# Altium PCB 2-quilter-output.PcbDoc (part 4 of 26) (continued)
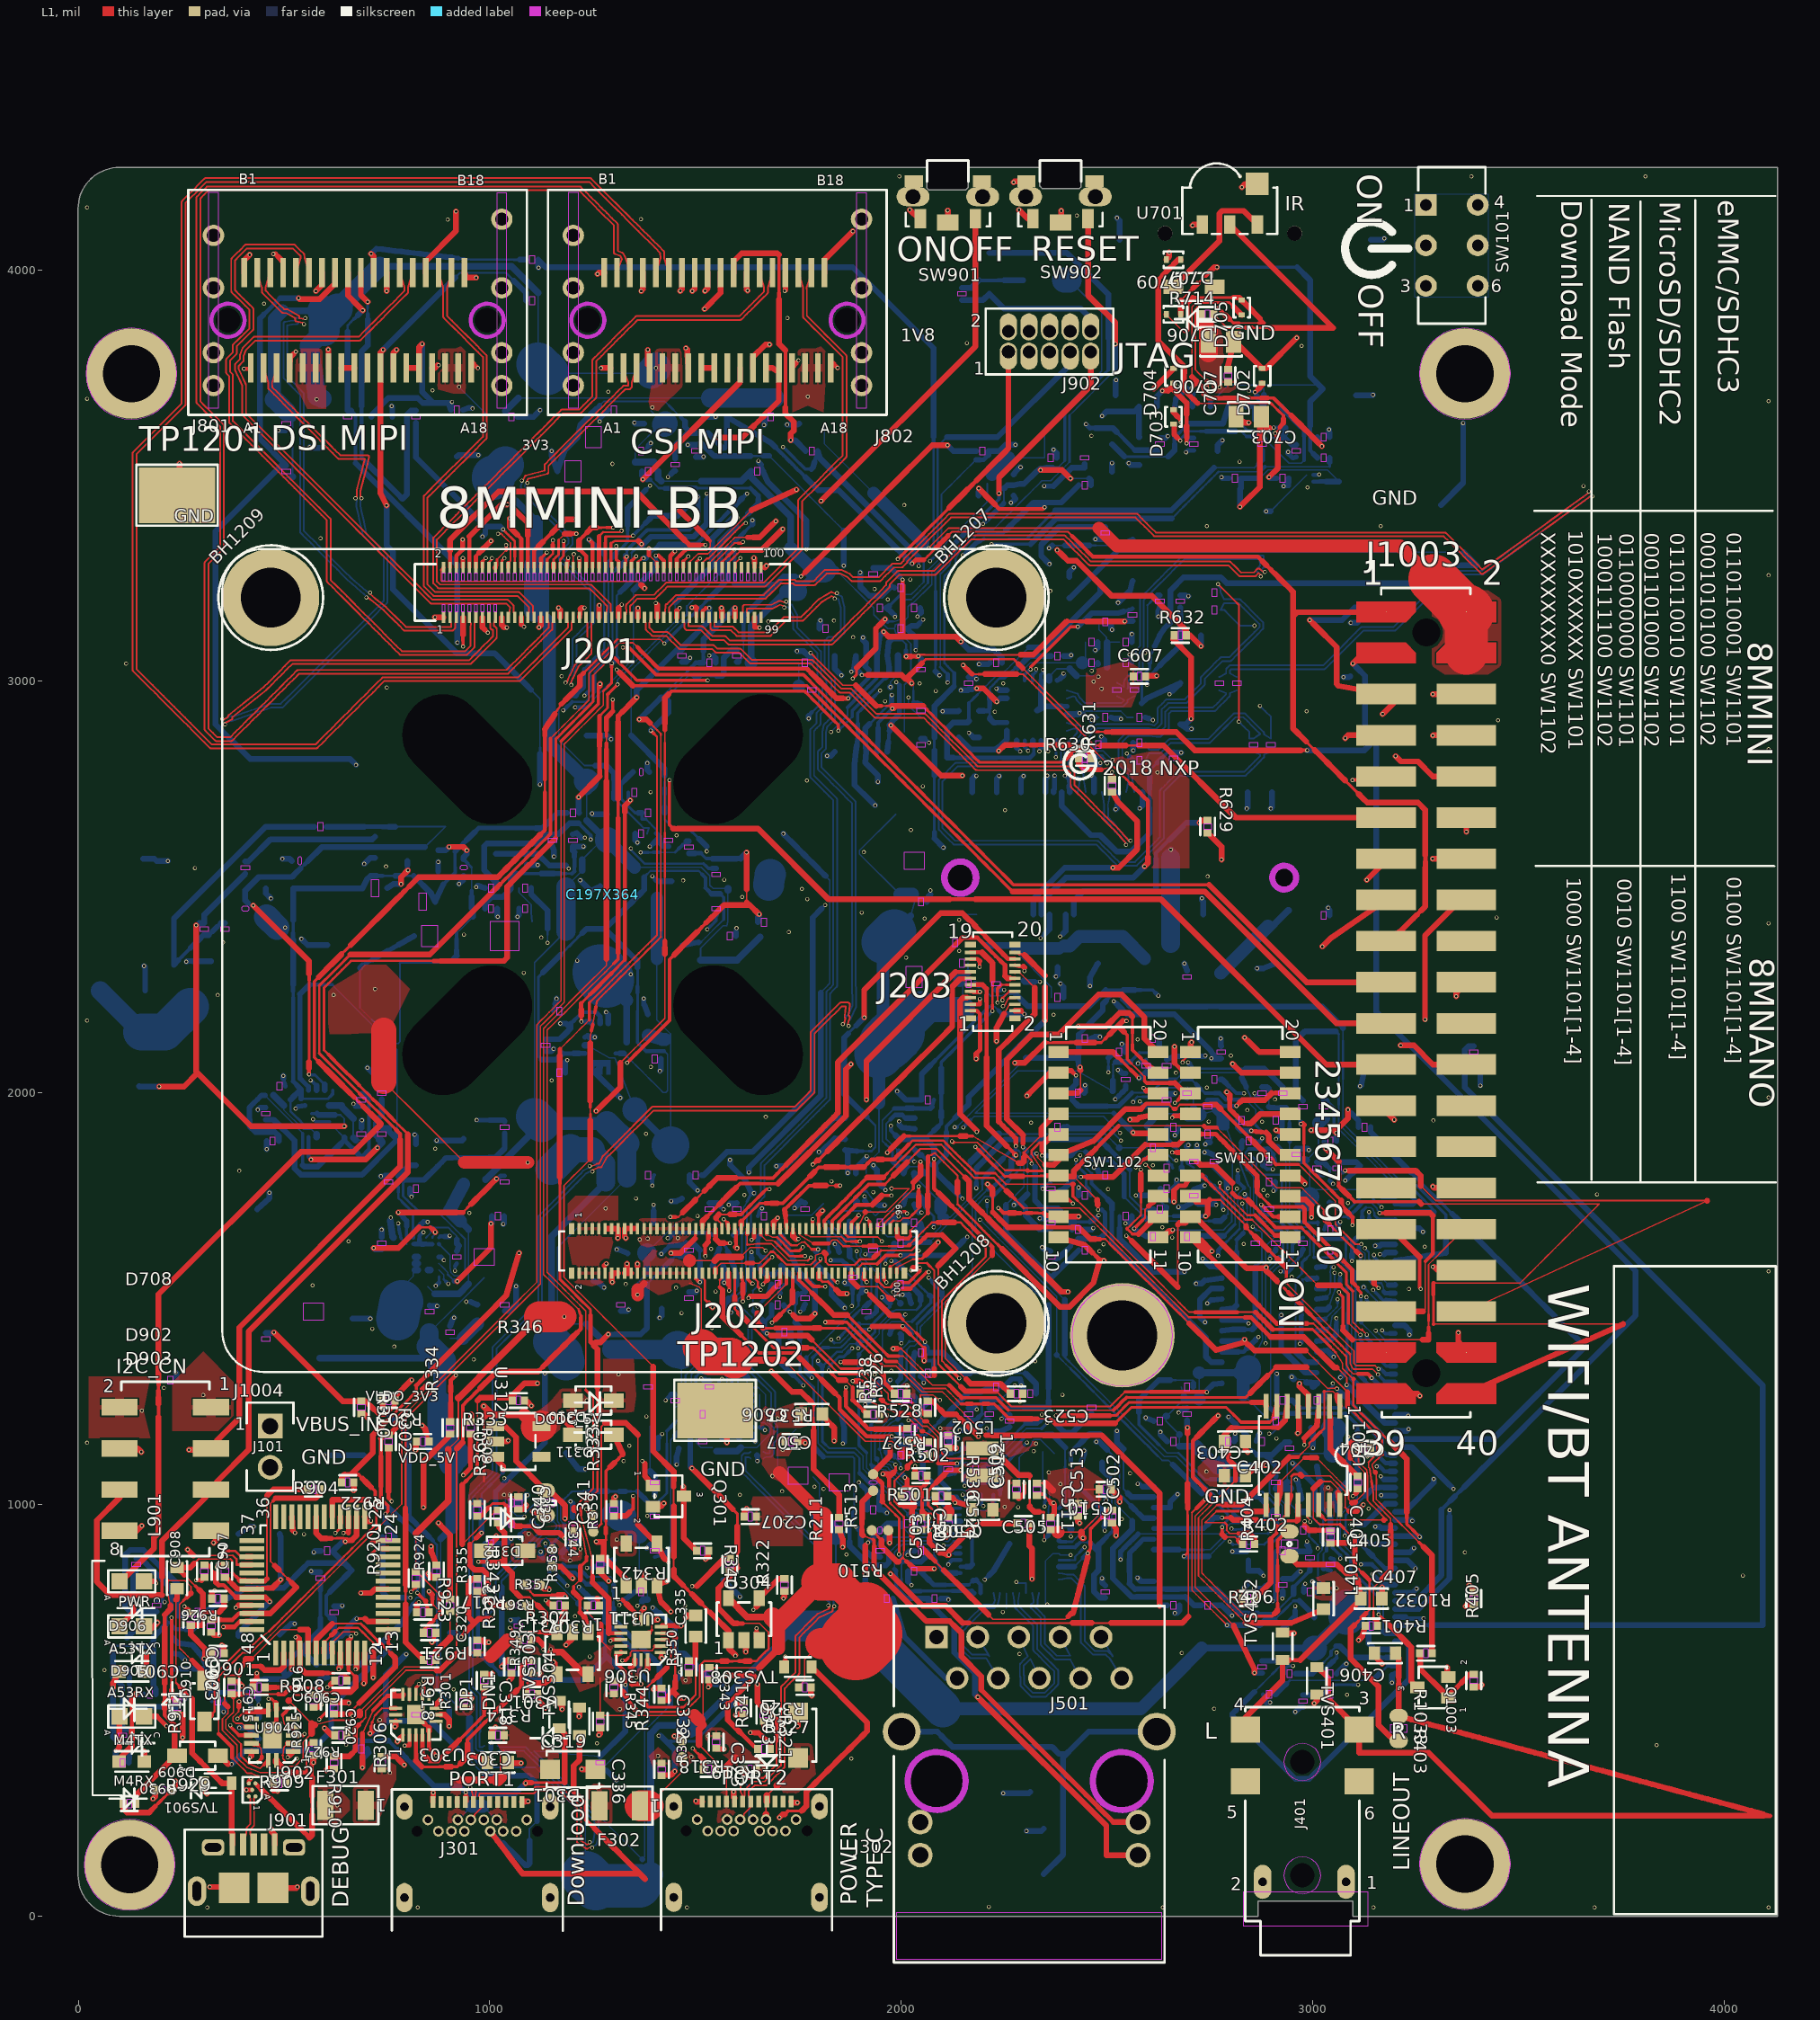
[diagram p0: L1 view]
## Nets (pads, with @x,y where several pads share a name; then routed paths per layer and width w, separated by ;. In a path a pad name is that pad's centre, name@x,y a point inside that pad or via, vN(x,y) a via of type N, cw(c..) or ccw(c..) an arc to the next point about the centre after c; other vN are vias at no path point) (continued)
CSI_D2_N: J201.51 J802.B13 | length 1734.9
  L1 w4.28: J201.51@1281.5,3155.16 1284.76,3169.41 1285.37,3181.4 1285.37,3183.25 1274.73,3193.89 1264.09,3204.53 1253.44,3215.18 1242.8,3225.82 1224.53,3225.82 1206.25,3225.82 1187.98,3225.82 1169.71,3225.82 1151.43,3225.82 1133.16,3225.82 1114.89,3225.82 1096.61,3225.82 1078.34,3225.82 1060.07,3225.82 1041.79,3225.82 1023.52,3225.82 1005.24,3225.82 986.97,3225.82 968.7,3225.82 950.42,3225.82 932.15,3225.82 913.88,3225.82 895.6,3225.82 877.33,3225.82 877.22,3225.82 877.1,3225.83 876.98,3225.83 876.86,3225.85 876.74,3225.86 876.62,3225.88 876.49,3225.9 876.37,3225.92 876.26,3225.95 876.14,3225.98 876.02,3226.01 875.9,3226.05 875.79,3226.08 875.67,3226.13 875.56,3226.17 875.45,3226.22 875.34,3226.27 875.23,3226.32 875.12,3226.38 875.01,3226.44 874.91,3226.5 874.81,3226.57 874.7,3226.64 874.6,3226.71 874.51,3226.78 874.41,3226.85 874.32,3226.93 874.23,3227.01 874.14,3227.1 874.05,3227.18 863.94,3237.29 863.87,3237.36 863.78,3237.45 863.7,3237.55 863.62,3237.64 863.55,3237.73 863.47,3237.83 863.4,3237.93 863.34,3238.03 863.27,3238.14 863.21,3238.24 863.15,3238.35 863.09,3238.45 863.04,3238.56 862.99,3238.67 862.94,3238.79 862.89,3238.9 862.85,3239.01 862.81,3239.13 862.77,3239.25 862.74,3239.36 862.71,3239.48 862.68,3239.6 862.66,3239.72 862.64,3239.84 862.62,3239.96 862.61,3240.08 862.6,3240.2 862.59,3240.33 862.58,3240.45 862.58,3240.57 862.58,3258.23 862.58,3275.88 862.58,3293.54 862.58,3311.2 862.58,3328.85 862.58,3346.51 862.58,3346.62 862.59,3346.74 862.59,3346.86 862.61,3346.98 862.62,3347.1 862.64,3347.22 862.66,3347.34 862.68,3347.46 862.71,3347.58 862.74,3347.7 862.77,3347.82 862.81,3347.93 862.84,3348.05 862.89,3348.16 862.93,3348.28 862.98,3348.39 863.03,3348.5 863.08,3348.61 863.14,3348.72 863.2,3348.82 863.26,3348.93 863.33,3349.03 863.4,3349.13 863.47,3349.23 863.54,3349.33 863.61,3349.43 863.69,3349.52 863.77,3349.61 863.86,3349.7 863.94,3349.79 877.39,3363.24 890.83,3376.68 904.28,3390.13 917.73,3403.58 931.17,3417.02 944.62,3430.47 958.07,3443.92 971.51,3457.36 984.96,3470.81 998.41,3484.26 1011.85,3497.7 1025.3,3511.15 1038.75,3524.6 1052.19,3538.04 1065.64,3551.49 1079.09,3564.93 1092.53,3578.38 1105.98,3591.83 1119.43,3605.27 1132.87,3618.72 1146.32,3632.17 1159.77,3645.61 1173.21,3659.06 1173.29,3659.14 1173.38,3659.22 1173.47,3659.3 1173.56,3659.38 1173.66,3659.45 1173.76,3659.53 1173.86,3659.6 1173.96,3659.67 1174.06,3659.73 1174.16,3659.79 1174.27,3659.85 1174.38,3659.91 1174.49,3659.96 1174.6,3660.02 1174.71,3660.06 1174.82,3660.11 1174.94,3660.15 1175.05,3660.19 1175.17,3660.23 1175.29,3660.26 1175.41,3660.29 1175.52,3660.32 1175.64,3660.34 1175.76,3660.36 1175.89,3660.38 1176.01,3660.39 1176.13,3660.41 1176.25,3660.41 1176.37,3660.42 1176.49,3660.42 1190.06,3660.42 1203.62,3660.42 1217.19,3660.42 1228.05,3671.28 1238.91,3682.14 1249.77,3693.01 1249.77,3710.34 1249.77,3727.66 1249.77,3744.99 1249.77,3762.32 1249.77,3779.65 1249.78,3779.76 1249.78,3779.88 1249.79,3780 1249.8,3780.12 1249.81,3780.24 1249.83,3780.36 1249.85,3780.48 1249.87,3780.6 1249.9,3780.72 1249.93,3780.84 1249.96,3780.96 1250,3781.07 1250.04,3781.19 1250.08,3781.3 1250.12,3781.42 1250.17,3781.53 1250.22,3781.64 1250.28,3781.75 1250.33,3781.86 1250.39,3781.97 1250.46,3782.07 1250.52,3782.17 1250.59,3782.27 1250.66,3782.37 1250.73,3782.47 1250.81,3782.57 1250.88,3782.66 1250.97,3782.75 1251.05,3782.84 1251.13,3782.93 1264.06,3795.86 1276.99,3808.78 1289.91,3821.71 1302.84,3834.63 1315.76,3847.56 1328.69,3860.49 1341.62,3873.41 1354.54,3886.34 1354.62,3886.41 1354.71,3886.5 1354.8,3886.58 1354.89,3886.66 1354.99,3886.73 1355.09,3886.8 1355.19,3886.88 1355.29,3886.94 1355.39,3887.01 1355.49,3887.07 1355.6,3887.13 1355.71,3887.19 1355.82,3887.24 1355.93,3887.29 1356.04,3887.34 1356.15,3887.39 1356.27,3887.43 1356.38,3887.47 1356.5,3887.51 1356.62,3887.54 1356.74,3887.57 1356.85,3887.6 1356.97,3887.62 1357.09,3887.64 1357.21,3887.66 1357.34,3887.67 1357.46,3887.68 1357.58,3887.69 1357.7,3887.7 1357.82,3887.7 1375.63,3887.7 1393.44,3887.7 1411.25,3887.7 1429.06,3887.7 1446.87,3887.7 1464.67,3887.7 1482.48,3887.7 1500.29,3887.7 1518.1,3887.7 1535.91,3887.7 1553.72,3887.7 1571.53,3887.7 1589.34,3887.7 1607.14,3887.7 1619.09,3899.65 1631.04,3911.6 1642.99,3923.55 1654.94,3935.5 1666.89,3947.45 1667.09,3958.08 1661.54,3975.79 J802.B13@1655.99,3993.5
CSI_D2_P: J201.53 J802.B14 | length 1734.9
  L1 w4.28: J201.53@1297.26,3155.16 1294.02,3168.93 1294.65,3181.04 1294.65,3181.17 1294.66,3181.28 1294.66,3185.17 1294.65,3185.29 1294.65,3185.41 1294.64,3185.53 1294.63,3185.66 1294.62,3185.78 1294.6,3185.9 1294.58,3186.02 1294.55,3186.14 1294.53,3186.26 1294.5,3186.38 1294.46,3186.49 1294.43,3186.61 1294.39,3186.72 1294.34,3186.84 1294.3,3186.95 1294.25,3187.06 1294.2,3187.17 1294.15,3187.28 1294.09,3187.39 1294.03,3187.5 1293.97,3187.6 1293.9,3187.71 1293.83,3187.81 1293.76,3187.91 1293.69,3188 1293.61,3188.1 1293.53,3188.19 1293.45,3188.28 1293.37,3188.37 1293.3,3188.45 1281.97,3199.77 1270.65,3211.1 1259.33,3222.42 1248,3233.74 1247.92,3233.83 1247.83,3233.91 1247.74,3233.99 1247.64,3234.07 1247.55,3234.14 1247.45,3234.22 1247.35,3234.29 1247.25,3234.36 1247.14,3234.42 1247.04,3234.48 1246.93,3234.54 1246.82,3234.6 1246.71,3234.65 1246.6,3234.7 1246.49,3234.75 1246.38,3234.8 1246.26,3234.84 1246.15,3234.88 1246.03,3234.91 1245.91,3234.95 1245.8,3234.98 1245.68,3235 1245.56,3235.03 1245.44,3235.05 1245.32,3235.06 1245.2,3235.08 1245.07,3235.09 1244.95,3235.1 1244.83,3235.1 1244.72,3235.1 1226.45,3235.1 1208.18,3235.1 1189.9,3235.1 1171.63,3235.1 1153.36,3235.1 1135.08,3235.1 1116.81,3235.1 1098.53,3235.1 1080.26,3235.1 1061.99,3235.1 1043.71,3235.1 1025.44,3235.1 1007.17,3235.1 988.89,3235.1 970.62,3235.1 952.35,3235.1 934.07,3235.1 915.8,3235.1 897.52,3235.1 879.25,3235.1 871.86,3242.49 871.86,3259.51 871.86,3276.52 871.86,3293.54 871.86,3310.55 871.86,3327.57 871.86,3344.59 885.19,3357.91 898.52,3371.24 911.85,3384.57 925.18,3397.9 938.5,3411.23 951.83,3424.56 965.16,3437.89 978.49,3451.21 991.82,3464.54 1005.15,3477.87 1018.47,3491.2 1031.8,3504.53 1045.13,3517.86 1058.46,3531.18 1071.79,3544.51 1085.12,3557.84 1098.44,3571.17 1111.77,3584.5 1125.1,3597.83 1138.43,3611.15 1151.76,3624.48 1165.09,3637.81 1178.42,3651.14 1191.98,3651.14 1205.54,3651.14 1219.11,3651.14 1219.23,3651.14 1219.35,3651.15 1219.47,3651.15 1219.6,3651.17 1219.72,3651.18 1219.84,3651.2 1219.96,3651.22 1220.08,3651.24 1220.2,3651.27 1220.32,3651.3 1220.43,3651.33 1220.55,3651.37 1220.66,3651.41 1220.78,3651.45 1220.89,3651.5 1221,3651.54 1221.11,3651.6 1221.22,3651.65 1221.33,3651.71 1221.44,3651.77 1221.54,3651.83 1221.65,3651.89 1221.75,3651.96 1221.85,3652.03 1221.94,3652.11 1222.04,3652.18 1222.13,3652.26 1222.22,3652.34 1222.31,3652.42 1222.39,3652.5 1234.16,3664.27 1245.93,3676.04 1257.7,3687.8 1257.78,3687.89 1257.86,3687.98 1257.94,3688.07 1258.02,3688.17 1258.1,3688.26 1258.17,3688.36 1258.24,3688.46 1258.31,3688.56 1258.37,3688.66 1258.43,3688.77 1258.49,3688.88 1258.55,3688.98 1258.6,3689.09 1258.66,3689.2 1258.7,3689.32 1258.75,3689.43 1258.79,3689.54 1258.83,3689.66 1258.87,3689.78 1258.9,3689.89 1258.93,3690.01 1258.96,3690.13 1258.98,3690.25 1259,3690.37 1259.02,3690.49 1259.03,3690.61 1259.04,3690.73 1259.05,3690.86 1259.05,3690.98 1259.05,3691.08 1259.05,3708.41 1259.05,3725.74 1259.05,3743.07 1259.05,3760.4 1259.05,3777.73 1271.64,3790.31 1284.23,3802.9 1296.81,3815.49 1309.4,3828.07 1321.99,3840.66 1334.57,3853.25 1347.16,3865.83 1359.74,3878.42 1377.55,3878.42 1395.36,3878.42 1413.17,3878.42 1430.98,3878.42 1448.79,3878.42 1466.6,3878.42 1484.41,3878.42 1502.21,3878.42 1520.02,3878.42 1537.83,3878.42 1555.64,3878.42 1573.45,3878.42 1591.26,3878.42 1609.07,3878.42 1609.19,3878.42 1609.31,3878.42 1609.43,3878.43 1609.55,3878.44 1609.67,3878.46 1609.79,3878.48 1609.91,3878.5 1610.03,3878.52 1610.15,3878.55 1610.27,3878.58 1610.39,3878.61 1610.51,3878.65 1610.62,3878.69 1610.73,3878.73 1610.85,3878.77 1610.96,3878.82 1611.07,3878.87 1611.18,3878.93 1611.29,3878.98 1611.39,3879.04 1611.5,3879.11 1611.6,3879.17 1611.7,3879.24 1611.8,3879.31 1611.9,3879.38 1612,3879.46 1612.09,3879.54 1612.18,3879.62 1612.27,3879.7 1612.35,3879.78 1624.83,3892.26 1637.32,3904.75 1649.81,3917.24 1662.29,3929.72 1674.78,3942.21 1674.86,3942.3 1674.95,3942.39 1675.03,3942.48 1675.11,3942.57 1675.18,3942.67 1675.25,3942.77 1675.32,3942.87 1675.39,3942.97 1675.46,3943.07 1675.52,3943.17 1675.58,3943.28 1675.63,3943.39 1675.69,3943.5 1675.74,3943.61 1675.79,3943.72 1675.83,3943.84 1675.87,3943.95 1675.91,3944.07 1675.95,3944.18 1675.98,3944.3 1676.01,3944.42 1676.04,3944.54 1676.06,3944.66 1676.08,3944.78 1676.1,3944.9 1676.11,3945.02 1676.12,3945.14 1676.13,3945.26 1676.14,3945.38 1676.37,3957.91 1681.93,3975.7 J802.B14@1687.49,3993.5
CSI_D3_N: J201.57 J802.B16 | length 1261.9
  L1 w4.28: J201.57@1328.75,3155.16 1332,3169.04 1331.68,3180.32 ; 1331.68,3180.33 1331.68,3180.45 1331.68,3184.06 1331.68,3184.17 1331.69,3184.29 1331.69,3184.41 1331.7,3184.53 1331.72,3184.66 1331.74,3184.78 1331.76,3184.9 1331.78,3185.02 1331.81,3185.14 1331.84,3185.25 1331.87,3185.37 1331.9,3185.49 1331.94,3185.6 1331.99,3185.72 1332.03,3185.83 1332.08,3185.94 1332.13,3186.05 1332.18,3186.16 1332.24,3186.27 1332.3,3186.38 1332.36,3186.48 1332.43,3186.59 1332.49,3186.69 1332.57,3186.79 1332.64,3186.89 1332.71,3186.98 1332.79,3187.07 1332.87,3187.17 1332.95,3187.26 1333.04,3187.34 1343.69,3198 1354.34,3208.65 1354.42,3208.72 1354.51,3208.8 1354.6,3208.89 1354.69,3208.96 1354.79,3209.04 1354.89,3209.11 1354.99,3209.18 1355.09,3209.25 1355.19,3209.32 1355.3,3209.38 1355.4,3209.44 1355.51,3209.5 1355.62,3209.55 1355.73,3209.6 1355.84,3209.65 1355.95,3209.7 1356.07,3209.74 1356.18,3209.78 1356.3,3209.81 1356.42,3209.85 1356.54,3209.88 1356.66,3209.9 1356.78,3209.93 1356.9,3209.95 1357.02,3209.97 1357.14,3209.98 1357.26,3209.99 1357.38,3210 1357.5,3210 1357.62,3210.01 1371.48,3210.01 1385.33,3210.01 1399.18,3210.01 1408.68,3219.5 1418.17,3229 1427.67,3238.5 1427.75,3238.58 1427.84,3238.66 1427.93,3238.74 1428.02,3238.82 1428.12,3238.89 1428.22,3238.97 1428.32,3239.04 1428.42,3239.11 1428.52,3239.17 1428.63,3239.23 1428.73,3239.29 1428.84,3239.35 1428.95,3239.4 1429.06,3239.46 1429.17,3239.5 1429.28,3239.55 1429.4,3239.59 1429.51,3239.63 1429.63,3239.67 1429.75,3239.7 1429.87,3239.73 1429.99,3239.76 1430.11,3239.78 1430.23,3239.8 1430.35,3239.82 1430.47,3239.83 1430.59,3239.85 1430.71,3239.85 1430.83,3239.86 1430.95,3239.86 1449.07,3239.86 1467.19,3239.86 1485.3,3239.86 1503.42,3239.86 1521.53,3239.86 1539.65,3239.86 1557.76,3239.86 1575.88,3239.86 1594,3239.86 1612.11,3239.86 1630.23,3239.86 1648.34,3239.86 1666.46,3239.86 1678.39,3251.79 1690.33,3263.73 1702.26,3275.66 1714.19,3287.6 1726.13,3299.53 1738.06,3311.47 1750,3323.4 1750,3339.91 1750,3356.41 1750,3372.92 1750,3389.43 1750,3405.93 1750,3422.44 1750,3438.95 1750,3439.05 1750,3439.18 1750.01,3439.3 1750.02,3439.42 1750.04,3439.54 1750.05,3439.66 1750.07,3439.78 1750.1,3439.9 1750.12,3440.02 1750.15,3440.14 1750.19,3440.26 1750.22,3440.37 1750.26,3440.49 1750.3,3440.6 1750.35,3440.72 1750.4,3440.83 1750.45,3440.94 1750.5,3441.05 1750.56,3441.16 1750.62,3441.26 1750.68,3441.37 1750.74,3441.47 1750.81,3441.57 1750.88,3441.67 1750.95,3441.77 1751.03,3441.87 1751.11,3441.96 1751.19,3442.05 1751.27,3442.14 1751.36,3442.23 1764.69,3455.56 1778.03,3468.9 1791.37,3482.24 1804.7,3495.57 1818.04,3508.91 1831.38,3522.25 1844.71,3535.58 1858.05,3548.92 1858.05,3567.32 1858.05,3585.72 1858.05,3604.12 1858.05,3622.52 1858.05,3640.92 1858.05,3659.33 1858.05,3677.73 1858.05,3696.13 1858.05,3714.53 1858.05,3732.93 1858.05,3751.33 1858.05,3769.73 1858.05,3788.13 1846.17,3800.01 1834.3,3811.88 1822.42,3823.75 1810.55,3835.63 1798.68,3847.5 1786.8,3859.38 1774.93,3871.25 1763.05,3883.13 1762.98,3883.2 1762.89,3883.29 1762.81,3883.38 1762.74,3883.48 1762.66,3883.57 1762.59,3883.67 1762.52,3883.77 1762.45,3883.87 1762.38,3883.97 1762.32,3884.08 1762.26,3884.19 1762.2,3884.29 1762.15,3884.4 1762.1,3884.51 1762.05,3884.63 1762,3884.74 1761.96,3884.85 1761.92,3884.97 1761.89,3885.09 1761.85,3885.2 1761.82,3885.32 1761.8,3885.44 1761.77,3885.56 1761.75,3885.68 1761.73,3885.8 1761.72,3885.92 1761.71,3886.04 1761.7,3886.16 1761.69,3886.29 1761.69,3886.41 1761.69,3901.37 1761.69,3916.33 1761.69,3931.3 1761.69,3946.26 1761.58,3957.95 1756.03,3975.73 J802.B16@1750.48,3993.5
CSI_D3_P: J201.59 J802.B17 | length 1261.9
  L1 w4.28: J201.59@1344.5,3155.16 1341.27,3169.3 1340.96,3180.51 1340.96,3182.14 1350.25,3191.43 1359.55,3200.73 1373.4,3200.73 1387.25,3200.73 1401.1,3200.73 1401.22,3200.73 1401.34,3200.73 1401.47,3200.74 1401.59,3200.75 1401.71,3200.77 1401.83,3200.78 1401.95,3200.8 1402.07,3200.83 1402.19,3200.86 1402.31,3200.89 1402.42,3200.92 1402.54,3200.95 1402.65,3200.99 1402.77,3201.04 1402.88,3201.08 1402.99,3201.13 1403.11,3201.18 1403.21,3201.24 1403.32,3201.29 1403.43,3201.35 1403.53,3201.41 1403.64,3201.48 1403.74,3201.55 1403.84,3201.62 1403.93,3201.69 1404.03,3201.77 1404.12,3201.85 1404.21,3201.93 1404.3,3202.01 1404.38,3202.08 1413.88,3211.58 1423.38,3221.08 1432.88,3230.58 1450.99,3230.58 1469.11,3230.58 1487.22,3230.58 1505.34,3230.58 1523.45,3230.58 1541.57,3230.58 1559.69,3230.58 1577.8,3230.58 1595.92,3230.58 1614.03,3230.58 1632.15,3230.58 1650.26,3230.58 1668.38,3230.58 1668.5,3230.58 1668.62,3230.59 1668.75,3230.59 1668.87,3230.61 1668.99,3230.62 1669.11,3230.64 1669.23,3230.66 1669.35,3230.68 1669.47,3230.71 1669.59,3230.74 1669.7,3230.77 1669.82,3230.81 1669.93,3230.85 1670.05,3230.89 1670.16,3230.94 1670.27,3230.98 1670.38,3231.04 1670.49,3231.09 1670.6,3231.15 1670.71,3231.21 1670.81,3231.27 1670.92,3231.33 1671.02,3231.4 1671.12,3231.47 1671.21,3231.55 1671.31,3231.62 1671.4,3231.7 1671.49,3231.78 1671.58,3231.86 1671.66,3231.94 1683.98,3244.26 1696.31,3256.58 1708.63,3268.91 1720.95,3281.23 1733.27,3293.55 1745.6,3305.87 1757.92,3318.2 1758,3318.28 1758.09,3318.37 1758.17,3318.47 1758.24,3318.56 1758.32,3318.65 1758.39,3318.75 1758.46,3318.85 1758.53,3318.95 1758.6,3319.06 1758.66,3319.16 1758.72,3319.27 1758.77,3319.38 1758.83,3319.49 1758.88,3319.6 1758.93,3319.71 1758.97,3319.82 1759.01,3319.94 1759.05,3320.05 1759.09,3320.17 1759.12,3320.29 1759.15,3320.4 1759.18,3320.52 1759.2,3320.64 1759.22,3320.76 1759.24,3320.88 1759.25,3321 1759.26,3321.13 1759.27,3321.25 1759.28,3321.37 1759.28,3321.48 1759.28,3337.98 1759.28,3354.49 1759.28,3371 1759.28,3387.5 1759.28,3404.01 1759.28,3420.52 1759.28,3437.03 1772.61,3450.36 1785.95,3463.7 1799.29,3477.03 1812.62,3490.37 1825.96,3503.71 1839.3,3517.04 1852.63,3530.38 1865.97,3543.72 1866.05,3543.81 1866.14,3543.89 1866.22,3543.99 1866.3,3544.08 1866.37,3544.18 1866.44,3544.27 1866.51,3544.37 1866.58,3544.47 1866.65,3544.58 1866.71,3544.68 1866.77,3544.79 1866.83,3544.9 1866.88,3545.01 1866.93,3545.12 1866.98,3545.23 1867.02,3545.34 1867.07,3545.46 1867.1,3545.57 1867.14,3545.69 1867.17,3545.81 1867.2,3545.93 1867.23,3546.04 1867.25,3546.16 1867.27,3546.28 1867.29,3546.41 1867.3,3546.53 1867.32,3546.65 1867.32,3546.77 1867.33,3546.89 1867.33,3547 1867.33,3565.7 1867.33,3584.39 1867.33,3603.09 1867.33,3621.78 1867.33,3640.48 1867.33,3659.18 1867.33,3677.87 1867.33,3696.57 1867.33,3715.27 1867.33,3733.96 1867.33,3752.66 1867.33,3771.36 1867.33,3790.05 1867.33,3790.17 1867.32,3790.3 1867.31,3790.42 1867.3,3790.54 1867.29,3790.66 1867.27,3790.78 1867.25,3790.9 1867.23,3791.02 1867.2,3791.14 1867.17,3791.26 1867.14,3791.38 1867.1,3791.49 1867.06,3791.61 1867.02,3791.72 1866.97,3791.84 1866.92,3791.95 1866.87,3792.06 1866.82,3792.17 1866.76,3792.27 1866.7,3792.38 1866.64,3792.49 1866.57,3792.59 1866.51,3792.69 1866.44,3792.79 1866.36,3792.89 1866.29,3792.98 1866.21,3793.08 1866.13,3793.17 1866.04,3793.26 1865.97,3793.33 1854.1,3805.21 1842.22,3817.08 1830.35,3828.96 1818.47,3840.83 1806.6,3852.71 1794.72,3864.58 1782.85,3876.46 1770.97,3888.33 1770.97,3902.81 1770.97,3917.3 1770.97,3931.78 1770.97,3946.26 ; 1770.97,3946.31 1770.86,3958.04 1776.41,3975.77 J802.B17@1781.98,3993.5
CSI_I2C_SCL: J802.B11 R809.1 | length 662.5
  L1 w7.92: 1703.22,3943.68 1703.22,3959.15 1703.22,3974.61 1703.22,3990.08 1703.22,4005.55 1703.22,4021.01 1703.22,4036.48 ; 1719,3665.73 1719,3681.11 1719,3696.49 1719,3711.87 1719,3727.25 1719,3742.63 1719,3758.02 1719,3773.4 1719,3788.78 1719,3804.16
  L1 w8.94: 1703.22,3928.21 1703.22,3943.68
  L1 w14.05: J802.B11@1593,3993.5 1592.99,4020.72 1612.74,4040.46 1699.23,4040.46 1703.22,4036.48 ; 1703.22,3928.21 1703.22,3912.75 1703.22,3897.28 1703.22,3881.81 1703.22,3866.35 1703.22,3850.88 1703.22,3835.41 1703.22,3819.95 1719,3804.16 ; 1719,3665.73 1719,3650.42 1739.11,3630.32 1739.11,3609.03 1732.01,3601.93 ; v1(1732.01,3586.08) 1732.01,3601.91
  L8 w14.05: v1(1732.01,3586.08) 1741.9,3586.08 R809.1@1768.14,3559.83
CSI_I2C_SDA: J802.B10 R807.1 | length 484.3
  L1 w14.05: v1(1522.37,3904.92) 1561.5,3944.05 J802.B10@1561.5,3993.5
  L3 w12.01: v1@1520.05,3902.59 v1(1522.37,3904.92)
  L3 w14.05: v1(1520.05,3545.87) v1@1520.05,3902.59
  L8 w14.05: R807.1@1500.89,3545.07 1519.23,3545.06 v1(1520.05,3545.87)
CSI_NRST: J202.58 J802.B9 R806.2 | length 2835
  L1 w5.87: J202.58@1658.76,1574.09 1667.56,1582.88
  L1 w6.9: 1667.56,1582.88 1676.35,1591.68 1685.15,1600.47 v1(1686.37,1600.47)
  L1 w9.96: J202.58@1658.75,1561.94 J202.58@1658.76,1574.09
  L1 w14.05: v1(1523.5,3948.82) 1530,3955.32 J802.B9@1530.01,3993.5
  L3 w6.9: 1319.26,2227.99 1330.09,2217.16 1340.93,2206.33 1351.76,2195.49 1362.59,2184.66 1373.43,2173.83 1384.26,2162.99 1395.09,2152.16 1405.93,2141.33 1416.76,2130.49 1427.59,2119.66 1438.43,2108.83 1438.43,2094.12 1438.43,2079.42 1438.43,2064.72 1438.43,2050.01 1438.43,2035.31 1438.43,2020.6 1438.43,2005.9 1438.43,1991.2 1438.43,1976.49 1438.43,1961.79 1438.43,1947.09 1438.43,1932.38
  L3 w7.92: 1308.43,2254.28 1308.43,2238.83 1319.26,2227.99 ; 1308.43,2486.03 1308.43,2501.48 1308.43,2516.93 1308.43,2532.38 1308.43,2547.83 1308.43,2563.28 1308.43,2578.73 1308.43,2594.18 1308.43,2609.63 1308.43,2625.08 1308.43,2640.53 1308.43,2655.97 1308.43,2671.42 1308.43,2686.87 1308.43,2702.32 1308.43,2717.77 1308.43,2733.22 1308.43,2748.67 1308.43,2764.12 1308.43,2779.57 1308.43,2795.02 1308.43,2810.47 ; 1308.43,2841.37 1308.43,2856.82 1308.43,2872.27 ; 1438.43,1932.38 1449.06,1921.75 ; 1608.56,1762.25 v1(1619.19,1751.61)
  L3 w8.94: 1308.43,2254.28 1308.43,2269.73 1308.43,2285.18 1308.43,2300.63 1308.43,2316.08 1308.43,2331.53 1308.43,2346.98 1308.43,2362.43 1308.43,2377.88 1308.43,2393.33 1308.43,2408.78 1308.43,2424.23 1308.43,2439.68 1308.43,2455.13 1308.43,2470.58 1308.43,2486.03
  L3 w14.05: v1(1230.61,2965.54) 1308.43,2887.72 1308.43,2872.27 ; 1308.43,2810.47 1308.43,2825.92 1308.43,2841.37 ; 1449.06,1921.75 1459.69,1911.12 1470.33,1900.48 1480.96,1889.85 1491.59,1879.22 1502.23,1868.58 1512.86,1857.95 1523.49,1847.32 1534.13,1836.68 1544.76,1826.05 1555.39,1815.42 1566.03,1804.78 1576.66,1794.15 1587.29,1783.52 1597.93,1772.88 1608.56,1762.25
  L6 w7.92: v1(1389.57,3475.14) 1389.57,3489.39
  L6 w8.94: 1619.19,1737.84 v1(1619.19,1751.61) ; 1675.85,1600.47 v1(1686.37,1600.47)
  L6 w13.03: 1654.79,1608.64 1654.79,1616.05 1654.79,1631.61 ; 1665.32,1600.47 1675.85,1600.47
  L6 w14.05: 1389.57,3489.39 1389.57,3503.64 1389.57,3517.89 1389.57,3532.14 1389.57,3546.39 1389.57,3560.64 1418.02,3589.09 ; v1(1391.45,3578.75) 1401.79,3589.09 1418.02,3589.09 ; v1(1523.5,3948.82) 1538.75,3933.55 1538.75,3709.82 1418.02,3589.09 ; 1619.19,1737.84 1619.19,1724.08 1619.19,1710.31 1619.19,1696.55 1619.19,1682.78 1654.79,1647.18 1654.79,1631.61 ; 1654.79,1608.64 1662.96,1600.47 1665.32,1600.47
  L8 w4.85: 1243.13,3026.37 1252.25,3035.48 1261.36,3044.6 1270.48,3053.71 1279.59,3062.83 1288.7,3071.94 1288.7,3087.69 1288.7,3103.43 1288.7,3119.17 1288.7,3134.91 1288.7,3150.66 1288.7,3166.4 1288.7,3182.14 1288.7,3197.89 1288.7,3213.63 1288.7,3229.37 1288.7,3245.11 1288.7,3260.86 1288.7,3276.6 1288.7,3292.34
  L8 w5.87: 1288.7,3292.34 1297.95,3301.59 ; 1307.2,3310.84 1316.45,3320.09 1325.7,3329.34
  L8 w7.92: 1243.13,2978.07 1243.13,2990.14 1243.13,3002.22 1243.13,3014.29 1243.13,3026.37 ; 1325.7,3329.34 1334.95,3338.59 1334.95,3352.24 1334.95,3365.9 ; 1378.65,3464.22 v1(1389.57,3475.14)
  L8 w8.94: v1(1230.61,2965.54) 1236.87,2971.81 1243.13,2978.07
  L8 w9.96: 1334.95,3365.9 1334.95,3379.55
  L8 w14.05: 1297.95,3301.59 1307.2,3310.84 ; 1334.95,3379.55 1334.95,3393.2 1334.95,3406.86 1334.95,3420.51 1345.87,3431.44 1356.8,3442.36 1367.72,3453.29 1378.65,3464.22 ; R806.2@1382.95,3559.83 1387.38,3574.67 ; 1387.38,3574.68 v1(1391.45,3578.75)
CSI_PWDN: J202.56 J802.A11 R802.2 | length 3346.8
  L1 w4.85: J202.56@1643.01,1550.14 1652.03,1541.13
  L1 w5.87: 1652.03,1528.51 1652.03,1541.13
  L1 w6.9: 1652.03,1528.51 v1(1659.01,1521.53)
  L1 w8.94: J202.56@1643.01,1550.14 J202.56@1643,1561.94
  L1 w14.05: v1(1372.05,3490.54) 1608.74,3727.23 J802.A11@1608.74,3761.22
  L3 w3.83: 1630.71,1708.01 1630.71,1722.14 1630.71,1736.28 1630.71,1750.41 1630.71,1764.54
  L3 w4.85: 1572.27,1639.56 1572.27,1629.55 1582.24,1619.58 1592.21,1609.61 1602.18,1599.64 1612.15,1589.67 1622.12,1579.7 1632.09,1569.73
  L3 w5.87: 1572.27,1639.56 1572.27,1649.57 ; 1632.09,1569.73 1642.07,1559.76 1652.04,1549.79 1652.04,1539.14 1652.04,1528.5
  L3 w6.9: 1652.04,1528.5 v1(1659.01,1521.53)
  L3 w8.94: 1630.71,1764.54 1630.71,1778.68
  L3 w9.96: 1675.14,2512.55 1686.26,2501.43 1697.38,2490.31 ; 1741.86,2445.83 1752.98,2434.71 1764.1,2423.59
  L3 w13.03: 1582.01,1659.31 1591.75,1669.05 1601.49,1678.79 ; 1620.97,1698.27 1630.71,1708.01
  L3 w14.05: v1(1527.79,2586.79) 1589.92,2524.66 1663.04,2524.66 1675.14,2512.55 ; 1572.27,1649.57 1582.01,1659.31 ; 1601.49,1678.79 1611.23,1688.53 1620.97,1698.27 ; 1630.71,1778.68 2008.74,2156.71 2008.74,2178.95 1997.62,2190.08 1986.5,2201.2 1975.38,2212.32 1964.26,2223.44 1953.14,2234.56 1942.02,2245.68 1930.9,2256.8 1919.78,2267.92 1908.66,2279.04 1897.54,2290.16 1886.42,2301.28 1875.3,2312.4 1864.18,2323.52 1853.06,2334.64 1841.94,2345.76 1830.82,2356.88 1819.7,2368 1808.58,2379.12 1797.46,2390.24 1786.34,2401.36 1775.22,2412.47 1764.1,2423.59 ; 1697.38,2490.31 1708.5,2479.19 1719.62,2468.07 1730.74,2456.95 1741.86,2445.83
  L8 w3.5: 1343.66,2868.56 1343.66,2882.64 1343.66,2897.03 1343.66,2911.42 1343.66,2925.81 1343.66,2940.21 1343.66,2954.6 1343.66,2968.99 1343.66,2983.38 1343.66,2997.77 1343.66,3012.16 1343.66,3026.55 1354.08,3036.97 1364.49,3047.39 1374.91,3057.81 1385.33,3068.23 1395.75,3078.65 1406.17,3089.07 1416.59,3099.49 1427.01,3109.91 1437.43,3120.32 1447.85,3130.74 1458.27,3141.16 1468.69,3151.58 1476.19,3159.08 ; 1479.11,3182.34 1489.27,3192.5 1499.44,3202.67 1509.61,3212.84 1519.77,3223 1529.94,3233.17 1540.1,3243.33 1550.27,3253.5 1560.37,3263.6
  L8 w3.83: 1390.66,3489.98 1401.07,3479.57 1411.48,3469.16 ; 1599.14,3378.23 1608.82,3387.91 1618.49,3397.58
  L8 w4.85: 1425.32,2679.68 1425.32,2664.41 1435.13,2654.6 1444.94,2644.78 ; 1425.32,2756.04 1425.32,2771.32
  L8 w5.87: 1425.32,2740.77 1425.32,2756.04 ; 1444.94,2644.78 1457.08,2644.78 ; 1476.19,3159.09 1479.11,3162.01 1479.11,3172.17 1479.11,3182.34
  L8 w6.9: 1411.48,3469.16 1426.34,3469.16 ; 1457.08,2644.78 1469.21,2644.78 1481.34,2644.78 1490.63,2635.5 1499.92,2626.21 1509.21,2616.92 ; 1500.65,3469.16 1515.51,3469.16 1530.38,3469.16 1545.24,3469.16 1560.1,3469.16 1574.96,3469.16 1589.82,3469.16 1604.69,3469.16 1619.55,3469.16 1634.41,3469.16
  L8 w7.92: v1(1527.79,2586.79) 1527.79,2598.34 ; 1618.49,3397.58 1628.2,3407.29
  L8 w8.94: 1425.32,2694.95 1425.32,2710.22 1425.32,2725.5
  L8 w10.99: R802.2@1370.02,3500.04 v1@1375.19,3494.01 ; 1382.63,3489.98 1390.66,3489.98 ; 1425.32,2725.5 1425.32,2740.77 ; 1634.41,3469.16 1643.5,3460.07
  L8 w12.01: v1@1375.19,3493.69 1375.19,3494.01 1382.63,3489.98 ; 1426.34,3469.16 1441.2,3469.16 ; 1643.5,3460.07 1652.6,3450.98 ; 1652.6,3441.33 1652.6,3450.97
  L8 w13.03: v1(1372.05,3490.54) v1@1375.19,3493.69
  L8 w14.05: 1343.66,2868.56 1425.32,2786.9 1425.32,2771.32 ; R802.2@1370.02,3500.04 R802.2@1370.01,3510.02 ; 1425.32,2679.68 1425.32,2694.95 ; 1441.2,3469.16 1456.07,3469.16 1470.93,3469.16 1485.79,3469.16 1500.65,3469.16 ; 1509.21,2616.92 1518.5,2607.63 1527.79,2598.34 ; 1560.37,3263.6 1560.37,3339.46 1570.11,3349.2 1579.79,3358.88 1589.46,3368.55 1599.14,3378.23 ; 1628.21,3407.29 1652.6,3431.68 1652.6,3441.33
DEBUG_ACCESS1: U303.9
DEBUG_ACCESS2: U306.9
DIF0_N: R611.1 U601.14 | length 188.6
  L8 w4.28: U601.14@2403.41,2958.39 2418.03,2963.81 2423.04,2962.2 2426.92,2954.5 2426.97,2954.39 2427.03,2954.28 2427.09,2954.18 2427.16,2954.07 2427.23,2953.97 2427.3,2953.87 2427.37,2953.77 2427.44,2953.68 2427.52,2953.58 2427.6,2953.49 2427.68,2953.4 2427.77,2953.31 ; 2427.78,2953.3 2434.53,2946.55 2441.28,2939.8 2441.37,2939.71 2441.46,2939.63 2441.55,2939.55 2441.64,2939.47 2441.74,2939.4 2441.84,2939.32 2441.94,2939.25 2442.04,2939.19 2442.14,2939.12 2442.25,2939.06 2442.35,2939 2442.46,2938.94 2442.57,2938.89 2442.68,2938.84 2442.79,2938.79 2442.91,2938.74 2443.02,2938.7 2443.14,2938.66 2443.25,2938.63 2443.37,2938.6 2443.49,2938.57 2443.61,2938.54 2443.73,2938.52 2443.85,2938.49 2443.97,2938.48 2444.09,2938.46 2444.21,2938.45 2444.33,2938.45 2444.46,2938.44 2444.56,2938.44 2463.32,2938.44 2482.07,2938.44 2500.83,2938.44 2519.59,2938.44 2538.34,2938.44 2538.46,2938.44 2538.58,2938.45 2538.71,2938.45 2538.83,2938.47 2538.95,2938.48 2539.07,2938.5 2539.19,2938.52 2539.31,2938.54 2539.43,2938.57 2539.55,2938.6 2539.66,2938.63 2539.78,2938.67 2539.9,2938.71 2540.01,2938.75 2540.12,2938.8 2540.24,2938.84 2540.35,2938.9 2540.45,2938.95 2540.56,2939.01 2540.67,2939.07 2540.77,2939.13 2540.88,2939.19 2540.98,2939.26 2541.08,2939.33 2541.17,2939.41 2541.27,2939.48 2541.36,2939.56 2541.46,2939.64 2541.54,2939.72 2541.62,2939.8 2549.26,2947.43 2549.34,2947.52 2549.42,2947.61 2549.5,2947.7 2549.58,2947.8 2549.66,2947.89 2549.73,2947.99 2549.8,2948.09 2549.87,2948.19 2549.93,2948.29 2550,2948.4 2550.05,2948.5 2550.11,2948.61 2550.17,2948.72 2550.22,2948.83 2550.26,2948.94 2550.31,2949.06 2550.35,2949.17 2550.39,2949.29 2550.43,2949.41 2550.46,2949.52 2550.49,2949.64 2550.52,2949.76 2550.54,2949.88 2550.56,2950 2550.58,2950.12 2550.59,2950.24 2550.6,2950.36 2550.61,2950.48 2550.61,2950.61 2550.61,2950.71 2550.61,2954.71 R611.1@2567.2,2964.01
DIF0_P: R610.1 U601.13 | length 173.5
  L8 w4.28: U601.13@2403.41,2978.07 2420.87,2972.65 2427.73,2970.44 2427.87,2970.4 2427.98,2970.35 2428.1,2970.31 2428.21,2970.26 2428.32,2970.21 2428.43,2970.15 2428.54,2970.1 2428.64,2970.04 2428.75,2969.97 2428.85,2969.91 2428.95,2969.84 2429.05,2969.77 2429.15,2969.7 2429.24,2969.62 2429.34,2969.54 2429.43,2969.46 2429.52,2969.38 2429.6,2969.29 2429.69,2969.21 2429.77,2969.12 2429.85,2969.02 2429.93,2968.93 2430,2968.83 2430.08,2968.74 2430.15,2968.64 2430.21,2968.53 2430.28,2968.43 2430.34,2968.33 2430.4,2968.22 2430.46,2968.11 2434.87,2959.33 2446.49,2947.72 2464.47,2947.72 2482.46,2947.72 2500.45,2947.72 2518.43,2947.72 2536.42,2947.72 2541.33,2952.64 2541.33,2954.99 R610.1@2524.76,2964